# Altium PCB PCB1.PcbDoc (part 7 of 8) (continued)
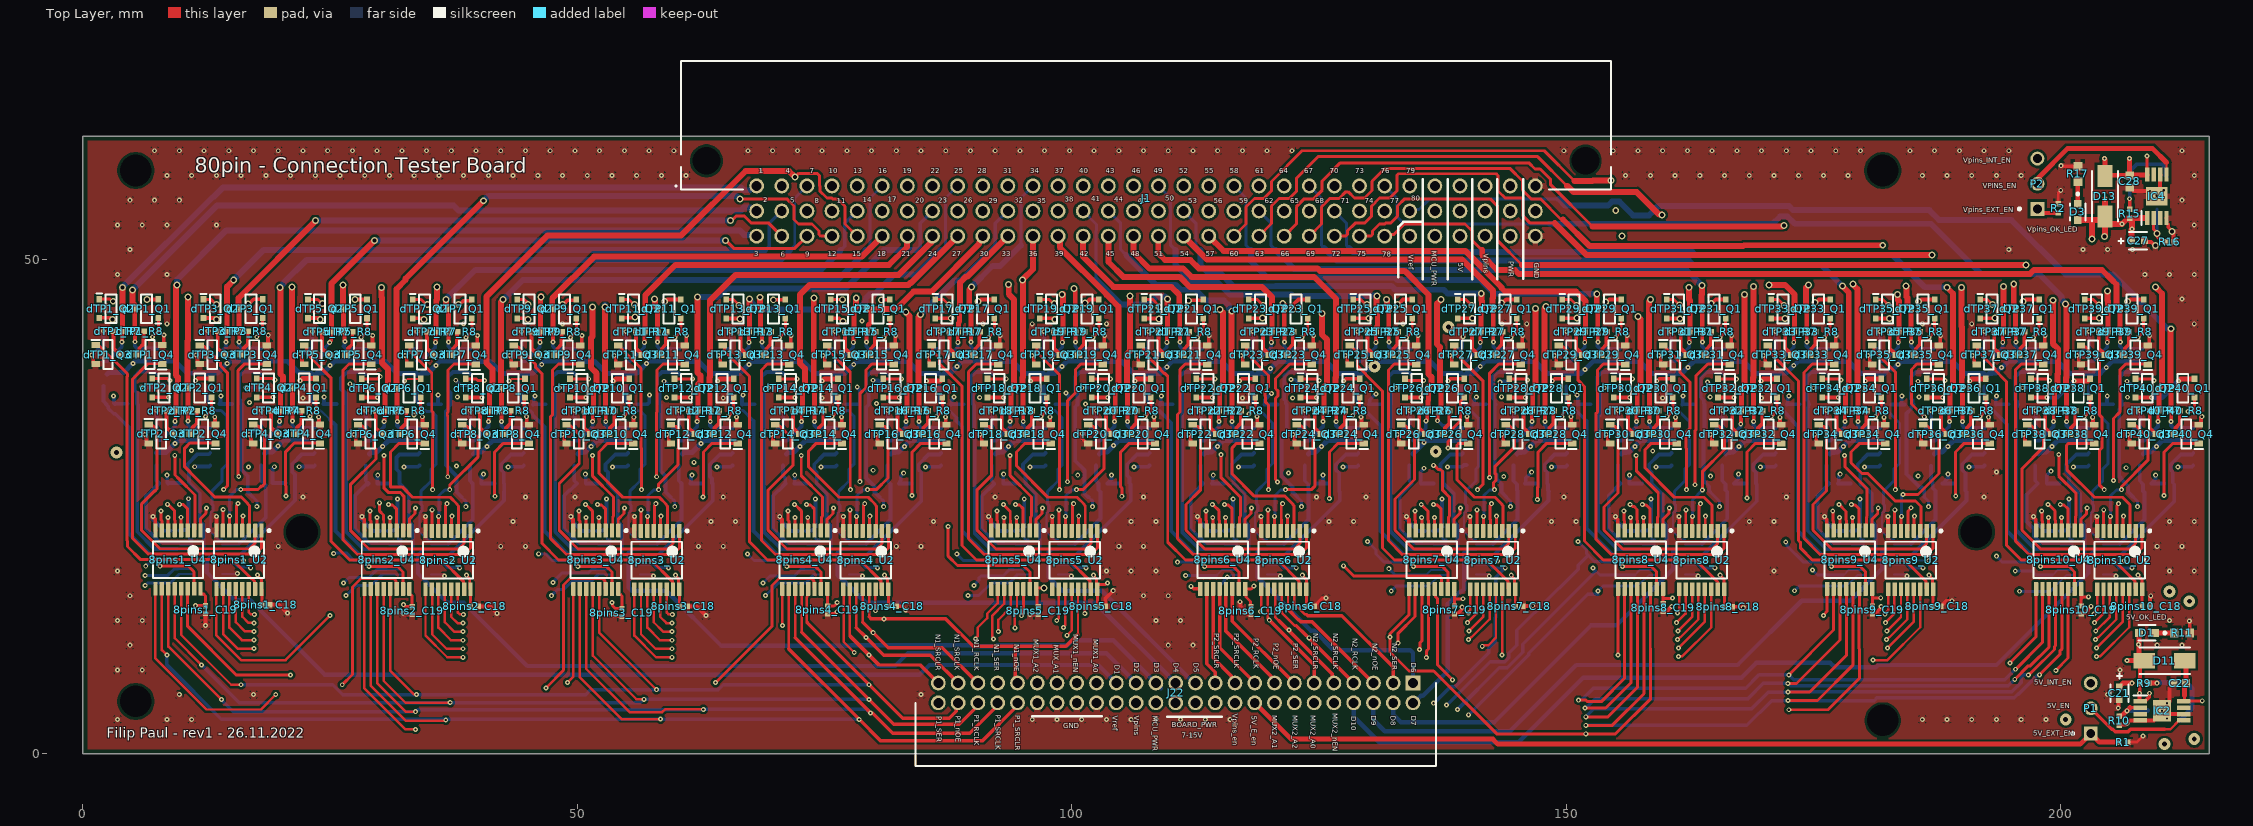
[diagram p0: Top Layer view]
## Nets (pads, with @x,y where several pads share a name; then routed paths per layer and width w, separated by ;. In a path a pad name is that pad's centre, name@x,y a point inside that pad or via, vN(x,y) a via of type N, cw(c..) or ccw(c..) an arc to the next point about the centre after c; other vN are vias at no path point) (continued)
  Bottom Layer w0.4: 8pins1_C20.2@9.74,22.579 9.8,22.639 10.352,22.639 10.709,22.996 10.668,23.037 10.668,25.784 v1@10.715,25.83 ; v1@10.649,25.83 v1(10.668,25.811) ; 8pins2_C20.2@30.873,22.56 30.933,22.62 31.486,22.62 31.842,22.976 31.802,23.017 31.802,25.764 v1@31.848,25.81 ; v1@31.783,25.81 v1(31.802,25.791) ; 8pins3_C20.2@52.002,22.56 52.062,22.62 52.615,22.62 52.971,22.976 52.931,23.017 52.931,25.764 v1@52.977,25.81 ; v1@52.912,25.81 v1(52.931,25.791) ; 8pins4_C20.2@73.131,22.56 73.191,22.62 73.743,22.62 74.1,22.976 74.06,23.017 74.06,25.764 v1@74.106,25.81 ; v1@74.041,25.81 v1(74.06,25.791) ; 8pins5_C20.2@94.26,22.56 94.32,22.62 94.872,22.62 95.229,22.976 95.189,23.017 95.189,25.764 v1@95.235,25.81 ; v1@95.17,25.81 v1(95.189,25.791) ; 8pins6_C20.2@115.389,22.56 115.449,22.62 116.001,22.62 116.358,22.976 116.318,23.017 116.318,25.764 v1@116.364,25.81 ; v1@116.299,25.81 v1(116.318,25.791) ; 8pins7_C20.2@136.518,22.56 136.578,22.62 137.13,22.62 137.487,22.976 137.447,23.017 137.447,25.764 v1@137.493,25.81 ; v1@137.428,25.81 v1(137.447,25.791) ; 8pins8_C20.2@157.647,22.56 157.707,22.62 158.259,22.62 158.616,22.976 158.576,23.017 158.576,25.764 v1@158.622,25.81 ; v1@158.557,25.81 v1(158.576,25.791) ; 8pins9_C20.2@178.776,22.56 178.836,22.62 179.388,22.62 179.745,22.976 179.705,23.017 179.705,25.764 v1@179.751,25.81 ; v1@179.685,25.81 v1(179.705,25.791) ; 8pins10_C20.2@199.905,22.56 199.965,22.62 200.517,22.62 200.874,22.976 200.834,23.017 200.834,25.764 v1@200.88,25.81 ; v1@200.814,25.81 v1(200.834,25.791)
  other v1: 207.877,11.074 37.7,37.795
Vpins: C27.2 D3.2 D13.2 dTP1_Q1.2 dTP1_Q2.2 dTP2_Q1.2 dTP2_Q2.2 dTP3_Q1.2 dTP3_Q2.2 dTP4_Q1.2 dTP4_Q2.2 dTP5_Q1.2 dTP5_Q2.2 dTP6_Q1.2 dTP6_Q2.2 dTP7_Q1.2 dTP7_Q2.2 dTP8_Q1.2 dTP8_Q2.2 dTP9_Q1.2 dTP9_Q2.2 dTP10_Q1.2 dTP10_Q2.2 dTP11_Q1.2 dTP11_Q2.2 dTP12_Q1.2 dTP12_Q2.2 dTP13_Q1.2 dTP13_Q2.2 dTP14_Q1.2 dTP14_Q2.2 dTP15_Q1.2 dTP15_Q2.2 dTP16_Q1.2 dTP16_Q2.2 dTP17_Q1.2 dTP17_Q2.2 dTP18_Q1.2 dTP18_Q2.2 dTP19_Q1.2 dTP19_Q2.2 dTP20_Q1.2 dTP20_Q2.2 dTP21_Q1.2 dTP21_Q2.2 dTP22_Q1.2 dTP22_Q2.2 dTP23_Q1.2 dTP23_Q2.2 dTP24_Q1.2 dTP24_Q2.2 dTP25_Q1.2 dTP25_Q2.2 dTP26_Q1.2 dTP26_Q2.2 dTP27_Q1.2 dTP27_Q2.2 dTP28_Q1.2 dTP28_Q2.2 dTP29_Q1.2 dTP29_Q2.2 dTP30_Q1.2 dTP30_Q2.2 dTP31_Q1.2 dTP31_Q2.2 dTP32_Q1.2 dTP32_Q2.2 dTP33_Q1.2 dTP33_Q2.2 dTP34_Q1.2 dTP34_Q2.2 dTP35_Q1.2 dTP35_Q2.2 dTP36_Q1.2 dTP36_Q2.2 dTP37_Q1.2 dTP37_Q2.2 dTP38_Q1.2 dTP38_Q2.2 dTP39_Q1.2 dTP39_Q2.2 dTP40_Q1.2 dTP40_Q2.2 IC4.1 J1.A30 J1.B30 J1.C30 J22.30 R15.1 | length 157.7
  Top Layer w0.2: v1(32.529,37.723) 32.61,37.723 32.828,37.94 dTP6_Q1.2@34.157,37.94 ; v1(43.07,37.723) 43.151,37.723 43.369,37.94 dTP8_Q1.2@44.698,37.94
  Top Layer w0.381: dTP1_Q2.2@1.644,44.111 1.736,44.111 1.743,44.105 2.754,44.105 2.914,43.945 v3(3,43.945) ; v3(6.5,45.945) 6.521,45.966 7.575,45.966 dTP1_Q1.2@7.62,46.011 ; dTP2_Q2.2@7.019,36.09 7.026,36.083 8.635,36.083 v1(8.641,36.076) ; v1(11.369,37.748) 11.402,37.748 11.631,37.978 12.898,37.978 12.911,37.99 dTP2_Q1.2@12.995,37.99 ; dTP3_Q2.2@12.192,44.103 12.284,44.103 12.291,44.096 13.263,44.096 13.414,43.945 v3(13.5,43.945) ; v3(16.69,45.49) 16.776,45.49 17.265,45.979 18.144,45.979 dTP3_Q1.2@18.168,46.003 ; dTP4_Q2.2@17.586,36.09 17.593,36.083 19.201,36.083 v1(19.208,36.076) ; dTP5_Q2.2@22.751,44.083 22.843,44.083 22.85,44.077 23.782,44.077 23.914,43.945 v3(24,43.945) ; v3(27.5,45.945) 27.507,45.952 28.696,45.952 dTP5_Q1.2@28.727,45.983 ; dTP6_Q2.2@28.179,36.065 28.186,36.058 29.794,36.058 v1(29.801,36.051) ; dTP7_Q2.2@33.35,44.077 33.442,44.077 33.449,44.071 34.288,44.071 34.414,43.945 v3(34.5,43.945) ; v3(38,45.445) 38.086,45.445 38.475,45.834 39.231,45.834 39.326,45.929 dTP7_Q1.2@39.326,45.977 ; dTP8_Q2.2@38.72,36.065 38.727,36.058 40.335,36.058 v1(40.342,36.051) ; dTP9_Q2.2@43.917,44.077 44.009,44.077 44.015,44.071 44.788,44.071 44.914,43.945 v3(45,43.945) ; v3(48.5,45.445) 48.586,45.445 49.035,45.894 49.809,45.894 dTP9_Q1.2@49.893,45.977 ; dTP10_Q2.2@49.261,36.065 49.268,36.058 50.876,36.058 v1(50.883,36.051) ; dTP11_Q2.2@54.483,44.077 54.517,44.112 55.749,44.112 v3(55.808,44.17) ; v3(58.833,45.736) 58.865,45.736 59.094,45.965 60.362,45.965 60.375,45.977 dTP11_Q1.2@60.459,45.977 ; dTP12_Q2.2@59.827,36.065 59.834,36.058 61.442,36.058 v1(61.449,36.051) ; dTP13_Q2.2@65.049,44.077 65.097,44.029 66.429,44.029 v3(66.452,44.006) ; v3(69.811,45.931) 69.822,45.942 70.99,45.942 dTP13_Q1.2@71.025,45.977 ; dTP14_Q2.2@70.368,36.065 70.375,36.058 71.983,36.058 v1(71.99,36.051) ; dTP15_Q2.2@75.616,44.077 75.708,44.077 75.715,44.071 76.485,44.071 76.794,43.762 v3(76.88,43.762) ; v3(80.741,45.907) 80.764,45.93 81.545,45.93 dTP15_Q1.2@81.592,45.977 ; dTP16_Q2.2@80.935,36.065 80.941,36.058 82.55,36.058 v1(82.557,36.051) ; dTP17_Q2.2@86.182,44.077 86.189,44.071 87.797,44.071 v3(87.804,44.064) ; v3(90.532,45.736) 90.564,45.736 90.794,45.965 92.061,45.965 92.074,45.977 dTP17_Q1.2@92.158,45.977 ; dTP18_Q2.2@91.476,36.065 91.482,36.058 v1(93.091,36.058) ; dTP19_Q2.2@96.749,44.077 96.841,44.077 96.847,44.071 98.033,44.071 98.184,43.92 v3(98.271,43.92) ; v3(101.34,45.597) 101.426,45.597 101.782,45.953 102.701,45.953 dTP19_Q1.2@102.725,45.977 ; dTP20_Q2.2@102.017,36.065 102.023,36.058 103.632,36.058 v1(103.639,36.051) ; dTP21_Q2.2@107.315,44.077 107.366,44.026 108.772,44.026 v3(108.799,44) ; v3(111.784,45.836) 111.843,45.895 113.208,45.895 dTP21_Q1.2@113.291,45.977 ; dTP22_Q2.2@112.583,36.065 112.59,36.058 114.198,36.058 v1(114.205,36.051) ; v1(116.933,37.723) 116.965,37.723 117.183,37.94 dTP22_Q1.2@118.561,37.94 ; dTP23_Q2.2@117.881,44.077 117.892,44.066 119.287,44.066 v3(119.3,44.08) ; v3(122.382,44.929) 122.443,44.99 122.443,45.49 122.918,45.965 123.76,45.965 123.773,45.977 dTP23_Q1.2@123.857,45.977 ; dTP24_Q2.2@123.124,36.065 123.131,36.058 124.739,36.058 v1(124.746,36.051) ; v1(127.474,37.723) 127.506,37.723 127.724,37.94 dTP24_Q1.2@129.102,37.94 ; dTP25_Q2.2@128.448,44.077 128.455,44.071 130.063,44.071 v3(130.07,44.064) ; v3(132.92,45.473) 133.006,45.473 133.487,45.953 134.4,45.953 dTP25_Q1.2@134.424,45.977 ; dTP26_Q2.2@133.69,36.065 133.697,36.058 135.306,36.058 v1(135.312,36.051) ; v1(138.04,37.723) 138.073,37.723 138.29,37.94 dTP26_Q1.2@139.668,37.94 ; dTP27_Q2.2@139.014,44.077 139.034,44.058 140.513,44.058 v3(140.517,44.062) ; v3(143.464,45.586) 143.551,45.586 143.918,45.953 144.966,45.953 dTP27_Q1.2@144.99,45.977 ; dTP28_Q2.2@144.231,36.065 144.238,36.058 145.847,36.058 v1(145.853,36.051) ; v1(148.581,37.723) 148.614,37.723 148.831,37.94 dTP28_Q1.2@150.209,37.94 ; dTP29_Q2.2@149.581,44.077 149.596,44.062 151.094,44.062 v3(151.103,44.071) ; v3(153.992,45.696) 154.078,45.696 154.335,45.953 155.533,45.953 dTP29_Q1.2@155.557,45.977 ; dTP30_Q2.2@154.798,36.065 154.805,36.058 156.413,36.058 v1(156.42,36.051) ; v1(159.148,37.723) 159.18,37.723 159.398,37.94 dTP30_Q1.2@160.776,37.94 ; dTP31_Q2.2@160.147,44.077 160.192,44.032 161.46,44.032 v3(161.481,44.012) ; v3(164.659,45.575) 164.745,45.575 165.123,45.953 166.099,45.953 dTP31_Q1.2@166.123,45.977 ; dTP32_Q2.2@165.339,36.065 165.346,36.058 166.954,36.058 v1(166.961,36.051) ; dTP33_Q2.2@170.713,44.077 170.743,44.047 172.122,44.047 v3(172.128,44.042) ; v3(175.163,45.656) 175.25,45.656 175.547,45.953 176.665,45.953 dTP33_Q1.2@176.689,45.977 ; dTP34_Q2.2@175.88,36.065 175.887,36.058 177.495,36.058 v1(177.502,36.051) ; dTP35_Q2.2@181.28,44.077 181.306,44.051 182.686,44.051 v3(182.689,44.049) ; v3(185.63,45.736) 185.662,45.736 185.891,45.965 187.159,45.965 187.171,45.977 dTP35_Q1.2@187.256,45.977 ; dTP36_Q2.2@186.446,36.065 186.453,36.058 188.061,36.058 v1(188.068,36.051) ; dTP37_Q2.2@191.846,44.077 191.852,44.071 193.334,44.071 v3(193.352,44.09) ; v3(196.196,45.736) 196.228,45.736 196.458,45.965 197.725,45.965 197.738,45.977 dTP37_Q1.2@197.822,45.977 ; dTP38_Q2.2@196.987,36.065 196.994,36.058 198.602,36.058 v1(198.609,36.051) ; dTP39_Q2.2@202.413,44.077 202.424,44.066 203.881,44.066 v3(203.894,44.079) ; v3(206.763,45.736) 206.795,45.736 207.024,45.965 208.292,45.965 208.304,45.977 dTP39_Q1.2@208.389,45.977 ; dTP40_Q2.2@207.554,36.065 207.56,36.058 209.169,36.058 v1(209.176,36.051)
  Top Layer w0.5: v1(21.961,37.748) 21.974,37.748 22.184,37.958 23.526,37.958 23.534,37.966 dTP4_Q1.2@23.564,37.966 ; v1(53.611,37.723) 53.692,37.723 53.91,37.94 dTP10_Q1.2@55.239,37.94 ; v1(64.177,37.723) 64.395,37.94 dTP12_Q1.2@65.805,37.94 ; v1(74.75,37.723) 74.968,37.94 dTP14_Q1.2@76.346,37.94 ; v1(85.285,37.723) 86.695,37.723 86.852,37.88 86.875,37.88 86.912,37.918 dTP16_Q1.2@86.912,37.94 ; v1(95.826,37.723) 96.043,37.94 dTP18_Q1.2@97.453,37.94 ; v1(106.367,37.723) 106.584,37.94 dTP20_Q1.2@107.994,37.94 ; v1(169.689,37.723) 169.906,37.94 dTP32_Q1.2@171.317,37.94 ; v1(180.23,37.723) 180.447,37.94 dTP34_Q1.2@181.858,37.94 ; v1(190.796,37.723) 191.014,37.94 dTP36_Q1.2@192.424,37.94 ; v1(201.337,37.723) 202.747,37.723 202.905,37.88 202.927,37.88 202.965,37.918 dTP38_Q1.2@202.965,37.94 ; v1(211.904,37.723) 212.121,37.94 dTP40_Q1.2@213.531,37.94
  Top Layer w0.6: D3.2@201.718,53.996 203.14,53.996 ; v3(203.14,52.074) 203.14,53.996 ; D13.2@204.118,53.996 203.14,53.996 ; v3(204.41,52.328) 204.468,52.386 D13.2@204.468,54.121 ; v1(204.473,56.136) 204.468,56.131 D13.2@204.468,54.121 ; C27.2@207.168,51.896 207.168,53.04 207.204,53.076 v1(207.204,53.09) 207.195,53.099 207.195,53.784 207.168,53.81 207.168,53.996 R15.1@206.968,54.196 ; 208.468,54.196 R15.1@206.968,54.196 ; D13.2@204.468,54.121 204.468,54.073 204.943,53.598 206.202,53.598 206.8,54.196 R15.1@206.968,54.196
  Layer 4 w0.5: v1(201.337,37.723) 204.42,37.723 205.203,36.941 208.286,36.941 v1(209.176,36.051)
  Bottom Layer w0.381: v1(198.609,36.051) 199.665,36.051 v1(201.337,37.723)
  Bottom Layer w0.5: v1(209.176,36.051) 210.232,36.051 v1(211.904,37.723)
  other v1: 206.188,53.598
Vref: dTP1_IC1.2 dTP1_IC1.6 dTP2_IC1.2 dTP2_IC1.6 dTP3_IC1.2 dTP3_IC1.6 dTP4_IC1.2 dTP4_IC1.6 dTP5_IC1.2 dTP5_IC1.6 dTP6_IC1.2 dTP6_IC1.6 dTP7_IC1.2 dTP7_IC1.6 dTP8_IC1.2 dTP8_IC1.6 dTP9_IC1.2 dTP9_IC1.6 dTP10_IC1.2 dTP10_IC1.6 dTP11_IC1.2 dTP11_IC1.6 dTP12_IC1.2 dTP12_IC1.6 dTP13_IC1.2 dTP13_IC1.6 dTP14_IC1.2 dTP14_IC1.6 dTP15_IC1.2 dTP15_IC1.6 dTP16_IC1.2 dTP16_IC1.6 dTP17_IC1.2 dTP17_IC1.6 dTP18_IC1.2 dTP18_IC1.6 dTP19_IC1.2 dTP19_IC1.6 dTP20_IC1.2 dTP20_IC1.6 dTP21_IC1.2 dTP21_IC1.6 dTP22_IC1.2 dTP22_IC1.6 dTP23_IC1.2 dTP23_IC1.6 dTP24_IC1.2 dTP24_IC1.6 dTP25_IC1.2 dTP25_IC1.6 dTP26_IC1.2 dTP26_IC1.6 dTP27_IC1.2 dTP27_IC1.6 dTP28_IC1.2 dTP28_IC1.6 dTP29_IC1.2 dTP29_IC1.6 dTP30_IC1.2 dTP30_IC1.6 dTP31_IC1.2 dTP31_IC1.6 dTP32_IC1.2 dTP32_IC1.6 dTP33_IC1.2 dTP33_IC1.6 dTP34_IC1.2 dTP34_IC1.6 dTP35_IC1.2 dTP35_IC1.6 dTP36_IC1.2 dTP36_IC1.6 dTP37_IC1.2 dTP37_IC1.6 dTP38_IC1.2 dTP38_IC1.6 dTP39_IC1.2 dTP39_IC1.6 dTP40_IC1.2 dTP40_IC1.6 J1.C27 J22.32 | length 367.5
  Layer 1 w1.2: v4(130.6,39.195) 127.5,42.295 127.5,45.695 J1.C27@134.17,52.365
  Layer 2 w0.5: v1(204.6,39.095) 205.6,38.095 205.6,35.195 v1(209.688,31.107)
  Layer 3 w1.2: v4(3.396,30.5) 5.999,30.5 6.894,31.395 v1(9.3,31.395)
  Bottom Layer w0.5: dTP1_IC1.2@2.432,38.401 2.582,38.551 2.865,38.551 2.875,38.561 4.121,38.561 v1(5.054,39.495) 5.281,39.722 7.47,39.722 dTP1_IC1.6@7.494,39.746 ; dTP2_IC1.2@7.447,30.431 7.522,30.506 8.411,30.506 v1(9.3,31.395) 9.606,31.701 dTP2_IC1.6@12.871,31.701 ; dTP1_IC1.6@7.496,39.722 9.339,39.722 10.559,38.502 12.561,38.502 dTP3_IC1.2@12.62,38.444 12.695,38.519 13.611,38.519 v1(14.588,39.495) 14.676,39.495 14.919,39.738 dTP3_IC1.6@18.042,39.738 ; dTP3_IC1.6@18.044,39.714 20.681,39.714 21.868,38.527 22.284,38.527 22.312,38.499 23.104,38.499 dTP5_IC1.2@23.179,38.424 ; dTP4_IC1.2@18.374,30.38 18.524,30.53 18.807,30.53 18.817,30.54 19.128,30.54 v1(19.72,31.133) 20.313,31.725 dTP4_IC1.6@23.436,31.725 ; dTP5_IC1.2@23.54,38.373 23.69,38.523 23.973,38.523 23.983,38.533 24.293,38.533 25.478,39.718 dTP5_IC1.6@28.601,39.718 ; dTP5_IC1.6@28.603,39.694 30.59,39.694 31.807,38.477 33.719,38.477 dTP7_IC1.2@33.778,38.418 ; dTP6_IC1.2@28.967,30.355 29.117,30.505 29.4,30.505 29.41,30.515 29.721,30.515 v1(30.313,31.107) 30.906,31.7 dTP6_IC1.6@34.029,31.7 ; dTP7_IC1.2@34.139,38.367 34.289,38.517 34.572,38.517 34.582,38.527 34.892,38.527 36.077,39.712 dTP7_IC1.6@39.2,39.712 ; dTP7_IC1.6@39.202,39.688 41.176,39.688 42.387,38.477 44.286,38.477 dTP9_IC1.2@44.344,38.418 ; dTP8_IC1.2@39.508,30.355 39.658,30.505 39.941,30.505 39.951,30.515 40.262,30.515 v1(40.854,31.107) 41.447,31.7 dTP8_IC1.6@44.57,31.7 ; dTP9_IC1.2@44.705,38.367 44.831,38.493 45.116,38.493 45.15,38.527 45.533,38.527 v1(46.4,39.395) ; v1@46.363,39.432 46.643,39.712 dTP9_IC1.6@49.767,39.712 ; dTP9_IC1.6@49.768,39.688 51.742,39.688 52.953,38.477 54.852,38.477 dTP11_IC1.2@54.911,38.418 ; dTP10_IC1.2@50.049,30.355 50.199,30.505 50.482,30.505 50.492,30.515 50.803,30.515 v1(51.395,31.107) 51.988,31.7 dTP10_IC1.6@55.111,31.7 ; dTP11_IC1.2@55.272,38.367 55.422,38.517 55.704,38.517 55.714,38.527 56.025,38.527 57.21,39.712 dTP11_IC1.6@60.333,39.712 ; dTP11_IC1.6@60.335,39.688 62.271,39.688 63.482,38.477 65.418,38.477 dTP13_IC1.2@65.477,38.418 65.552,38.493 66.45,38.493 v1(67.352,39.395) 67.645,39.688 70.875,39.688 dTP13_IC1.6@70.899,39.712 ; dTP12_IC1.2@60.616,30.355 60.742,30.48 61.586,30.48 v1(62.5,31.395) 62.805,31.7 dTP12_IC1.6@65.677,31.7 ; dTP13_IC1.6@70.901,39.688 72.837,39.688 74.049,38.477 75.985,38.477 dTP15_IC1.2@76.044,38.418 ; dTP14_IC1.2@71.157,30.355 71.307,30.505 71.59,30.505 71.6,30.515 71.91,30.515 v1(72.502,31.107) 73.095,31.7 dTP14_IC1.6@76.218,31.7 ; dTP15_IC1.2@76.404,38.367 76.53,38.493 77.044,38.493 v1(77.946,39.395) 78.239,39.688 dTP15_IC1.6@81.468,39.688 83.441,39.688 84.653,38.477 86.551,38.477 dTP17_IC1.2@86.61,38.418 ; dTP16_IC1.2@81.723,30.355 81.873,30.505 82.156,30.505 82.166,30.515 82.476,30.515 v1(83.069,31.107) 83.661,31.7 dTP16_IC1.6@86.785,31.7 ; dTP17_IC1.2@86.971,38.367 87.121,38.517 87.404,38.517 87.414,38.527 87.724,38.527 88.909,39.712 dTP17_IC1.6@92.032,39.712 ; dTP17_IC1.6@92.034,39.688 94.008,39.688 95.219,38.477 97.118,38.477 dTP19_IC1.2@97.176,38.418 ; dTP18_IC1.2@92.264,30.355 92.414,30.505 92.697,30.505 92.707,30.515 93.017,30.515 v1(93.61,31.107) 94.202,31.7 dTP18_IC1.6@97.326,31.7 ; dTP19_IC1.2@97.537,38.367 97.663,38.493 98.298,38.493 v1(99,39.195) 99.518,39.712 dTP19_IC1.6@102.599,39.712 ; dTP19_IC1.6@102.6,39.688 105.06,39.688 106.272,38.477 107.684,38.477 dTP21_IC1.2@107.743,38.418 ; dTP20_IC1.2@102.805,30.355 102.955,30.505 103.238,30.505 103.248,30.515 103.558,30.515 104.743,31.7 dTP20_IC1.6@107.867,31.7 ; dTP21_IC1.2@107.743,38.493 108.948,38.493 v1(109.603,39.148) 110.168,39.712 dTP21_IC1.6@113.165,39.712 ; dTP21_IC1.6@113.167,39.688 115.14,39.688 116.352,38.477 118.25,38.477 dTP23_IC1.2@118.309,38.418 ; dTP22_IC1.2@113.372,30.355 113.522,30.505 113.804,30.505 113.814,30.515 114.125,30.515 v1(114.717,31.107) 115.31,31.7 dTP22_IC1.6@118.433,31.7 ; dTP23_IC1.2@118.67,38.367 118.796,38.493 119.807,38.493 120.1,38.786 v1(120.1,38.995) 120.793,39.688 123.707,39.688 dTP23_IC1.6@123.731,39.712 ; dTP23_IC1.6@123.733,39.688 125.707,39.688 126.918,38.477 128.817,38.477 dTP25_IC1.2@128.876,38.418 ; dTP24_IC1.2@123.913,30.355 124.063,30.505 124.345,30.505 124.355,30.515 124.666,30.515 v1(125.258,31.107) 125.851,31.7 dTP24_IC1.6@128.974,31.7 ; dTP25_IC1.2@129.236,38.367 129.362,38.493 129.388,38.493 129.808,38.913 130.318,38.913 v4(130.6,39.195) 131.093,39.688 dTP25_IC1.6@134.3,39.688 136.236,39.688 137.447,38.477 139.383,38.477 dTP27_IC1.2@139.442,38.418 ; dTP26_IC1.2@134.505,30.355 135.051,30.9 135.067,30.9 135.6,31.433 v1(135.6,31.495) 135.805,31.7 dTP26_IC1.6@139.54,31.7 ; dTP27_IC1.2@139.803,38.367 139.929,38.493 140.598,38.493 v1(141.3,39.195) 141.818,39.712 dTP27_IC1.6@144.864,39.712 ; dTP27_IC1.6@144.866,39.688 146.84,39.688 148.051,38.477 149.95,38.477 dTP29_IC1.2@150.008,38.418 ; dTP28_IC1.2@145.02,30.355 145.17,30.505 145.453,30.505 145.463,30.515 145.773,30.515 v1(146.366,31.107) 146.958,31.7 dTP28_IC1.6@150.081,31.7 ; dTP29_IC1.2@150.369,38.367 150.495,38.493 151.482,38.493 v1(151.884,38.895) 151.9,38.895 152.718,39.712 dTP29_IC1.6@155.431,39.712 ; dTP29_IC1.6@155.432,39.688 157.406,39.688 158.617,38.477 160.516,38.477 dTP31_IC1.2@160.575,38.418 ; dTP30_IC1.2@155.586,30.355 155.736,30.505 156.019,30.505 156.029,30.515 156.34,30.515 v1(156.932,31.107) 157.525,31.7 dTP30_IC1.6@160.648,31.7 ; dTP31_IC1.2@160.936,38.367 161.061,38.493 161.698,38.493 v1(162.3,39.095) 162.918,39.712 dTP31_IC1.6@165.997,39.712 ; dTP31_IC1.6@165.999,39.688 167.935,39.688 169.146,38.477 171.082,38.477 dTP33_IC1.2@171.141,38.418 ; dTP32_IC1.2@166.127,30.355 166.277,30.505 166.56,30.505 166.57,30.515 166.881,30.515 v1(167.473,31.107) 168.066,31.7 dTP32_IC1.6@171.189,31.7 ; dTP33_IC1.2@171.502,38.367 171.652,38.517 171.935,38.517 171.945,38.527 172.255,38.527 173.44,39.712 dTP33_IC1.6@176.563,39.712 ; dTP33_IC1.6@176.565,39.688 178.539,39.688 179.75,38.477 181.649,38.477 dTP35_IC1.2@181.708,38.418 ; dTP34_IC1.2@176.668,30.355 176.818,30.505 177.101,30.505 177.111,30.515 177.422,30.515 v1(178.014,31.107) 178.607,31.7 dTP34_IC1.6@181.73,31.7 ; dTP35_IC1.2@182.068,38.367 182.194,38.493 182.22,38.493 182.64,38.913 183.064,38.913 v1(183.546,39.395) 183.839,39.688 187.106,39.688 dTP35_IC1.6@187.13,39.712 ; dTP35_IC1.6@187.132,39.688 189.068,39.688 190.279,38.477 192.215,38.477 dTP37_IC1.2@192.274,38.418 ; dTP36_IC1.2@187.235,30.355 187.385,30.505 187.668,30.505 187.678,30.515 187.988,30.515 v1(188.58,31.107) 189.173,31.7 dTP36_IC1.6@192.296,31.7 ; dTP37_IC1.2@192.635,38.367 192.761,38.493 193.045,38.493 193.079,38.527 193.433,38.527 v1(194,39.095) ; v1@194.05,39.045 194.718,39.712 dTP37_IC1.6@197.696,39.712 ; dTP37_IC1.6@197.698,39.688 199.672,39.688 200.883,38.477 202.782,38.477 dTP39_IC1.2@202.84,38.418 ; dTP38_IC1.2@197.776,30.355 197.926,30.505 198.209,30.505 198.219,30.515 198.529,30.515 v1(199.121,31.107) 199.714,31.7 dTP38_IC1.6@202.837,31.7 ; dTP39_IC1.2@203.201,38.367 203.327,38.493 203.998,38.493 v1(204.6,39.095) 205.218,39.712 dTP39_IC1.6@208.263,39.712 ; dTP40_IC1.2@208.342,30.355 208.492,30.505 208.775,30.505 208.785,30.515 209.095,30.515 v1(209.688,31.107) 210.28,31.7 dTP40_IC1.6@213.404,31.7
  other v1: 104.2,31.195 88.4,39.195 25,39.295 35.7,39.295 173,39.295 57,39.495
pads on no net: 8pins1_U3.7 8pins2_U3.7 8pins3_U3.7 8pins4_U3.7 8pins5_U3.7 8pins6_U3.7 8pins7_U3.7 8pins8_U3.7 8pins9_U3.7 8pins10_U3.7 IC2.3 IC2.7 IC4.3 IC4.7 J1.MH1 J1.MH2 VR1.1 VR3.1

## Polygon pours and split planes (outlines as drawn)
Vpins on Layer 4 "VPINS_L05_P013" (solid, remove dead copper, pour order 13): 4.5,37.98 4.5,9 107.5,9 107.5,0.651 1,0.651 1,37.5 1.5,37.98 1,37.98 1,61.5 142.97,61.5 143.001,50.5 149.218,50.5 173.567,56.5 208,56.5 208.351,35.694 197.5,35.694 197.5,38.488 194.797,38.488 194.797,35.694 186.669,35.694 186.669,38.798 183.367,38.798 183.367,35.694 176.255,35.694 176.255,38.488 173.715,38.488 173.715,35.694 166.095,35.694 166.095,38.698 163.047,38.698 163.047,35.694 155.173,35.694 155.173,38.234 152.633,38.234 152.633,35.694 144.759,35.694 144.505,35.948 144.505,38.698 141.965,38.698 141.965,35.694 134.091,35.694 134.091,38.234 131.551,38.234 131.551,35.694 123.677,35.694 123.677,38.234 120.883,38.234 120.883,35.694 112.755,35.694 112.755,38.234 110.469,38.234 110.469,35.694 102.595,35.694 102.595,38.234 99.801,38.234 99.801,35.694 91.927,35.694 91.927,38.234 89.133,38.234 89.133,35.694 81.513,35.694 81.513,38.798 78.465,38.798 78.465,35.694 70.591,35.694 70.591,38.234 68.051,38.234 68.051,35.694 60.131,35.694 60.131,38.798 57.129,38.798 57.129,35.694 49.509,35.694 49.509,37.98 47.223,37.98 47.223,35.694 39.349,35.694 39.349,38.998 36.301,38.998 36.301,35.694 28.173,35.694 28.173,38.488 25.887,38.488 25.887,35.694 17.505,35.694 17.505,37.98 15.473,37.98 15.473,35.694 7.091,35.694 7.091,37.98
BOARD_PWR on Layer 4 "BOARD_PWR_L05_P012" (solid, remove dead copper, pour order 12): 203,9 203,2.5 208.993,2.5 209.182,57 171,57 148.5,51.5 143.5,51.5 143.365,61.5 214,61.5 214,1 109.5,1 109.5,9
Vcomp on Layer 4 "det" (solid, remove dead copper, pour order 14): 204,10 204,3 208.284,3 208.284,35.151 196.846,35.151 196.846,38.199 195.322,38.199 195.322,35.151 186.178,35.151 186.178,38.417 184.146,38.417 184.146,35.151 175.764,35.151 175.764,38.199 174.24,38.199 174.24,35.151 165.604,35.151 165.604,38.417 163.572,38.417 163.572,35.151 154.682,35.151 154.682,37.945 153.158,37.945 153.158,35.151 144.014,35.151 144.014,38.417 142.49,38.417 142.49,35.151 133.6,35.151 133.6,37.945 132.076,37.945 132.076,35.151 123.186,35.151 123.186,38.199 121.408,38.199 121.408,35.151 112.264,35.151 112.264,37.945 110.994,37.945 110.994,35.151 102.104,35.151 102.104,37.945 100.326,37.945 100.326,35.151 91.436,35.151 91.436,37.945 89.658,37.945 89.658,35.151 81.022,35.151 81.022,38.617 78.99,38.617 78.99,35.151 70.1,35.151 70.1,37.945 68.576,37.945 68.576,35.151 59.432,35.151 59.432,38.617 57.654,38.617 57.654,35.151 49.018,35.151 49.018,37.945 47.748,37.945 47.748,35.151 38.858,35.151 38.858,38.717 36.826,38.717 36.826,35.151 27.682,35.151 27.682,38.199 26.412,38.199 26.412,35.151 17.014,35.151 17.014,37.691 15.998,37.691 15.998,35.151 6.6,35.151 6.6,37.691 5,37.691 5,10
PWR_MCU on Layer 3 "Layer 3/signal/PWR-No Net" (solid, remove dead copper, pour order 23): 214.415,21.239 198,21.239 198,0.5 0.5,0.5 0.5,62 214.415,62
BOARD_PWR on Layer 3 "BOARD_PWR_L04_P024" (solid, remove dead copper, pour order 24): 199,0.5 199,20.51 214.5,20.51 214.5,0.5
Vref on Layer 3 "VREF_L04_P020" (solid, remove dead copper, pour order 20): 4.5,50.009 210.5,49.432 210.5,30.411 4.5,30.411
GND on Bottom Layer "GND_L06_P030" (solid, remove dead copper, pour order 30): 0.5,62.008 0.5,33.166 6.982,33.166 7,22.5 21,9 107,7.988 107,0.5 214.5,0.5 214.5,62.008
Vref on Bottom Layer "VREF_L06_P028" (solid, pour order 28): 106,6.5 21.5,6.5 6,22 6,32.5 0.5,32.5 0.5,0.5 106,0.5
GND on Layer 1 "GND_L02_P015" (solid, remove dead copper, pour order 15): 0.5,62 0.5,0.5 214.5,0.5 214.5,62
GND on Layer 2 "GND_L03_P033" (solid, remove dead copper, pour order 33): 0.476,62.025 0.476,0.525 214.476,0.525 214.476,62.025
GND on Top Layer "GND_L01_P034" (solid, remove dead copper, pour order 34): 0.5,62 0.5,0.5 214.5,0.5 214.5,62